# Altium PCB Hall Board V2.0.PcbDoc (part 2 of 3)
Units mil, origin at the board's own origin, x right, y up, seen from the top; angles counter-clockwise.
Board outline 4570 x 4451.26 mil, 4 copper layers (Top Layer, Internal Plane 1, Internal Plane 2, Bottom Layer), stack 18.2 mil thick; 380 components, 270 nets, 1115 pads, 166 vias.
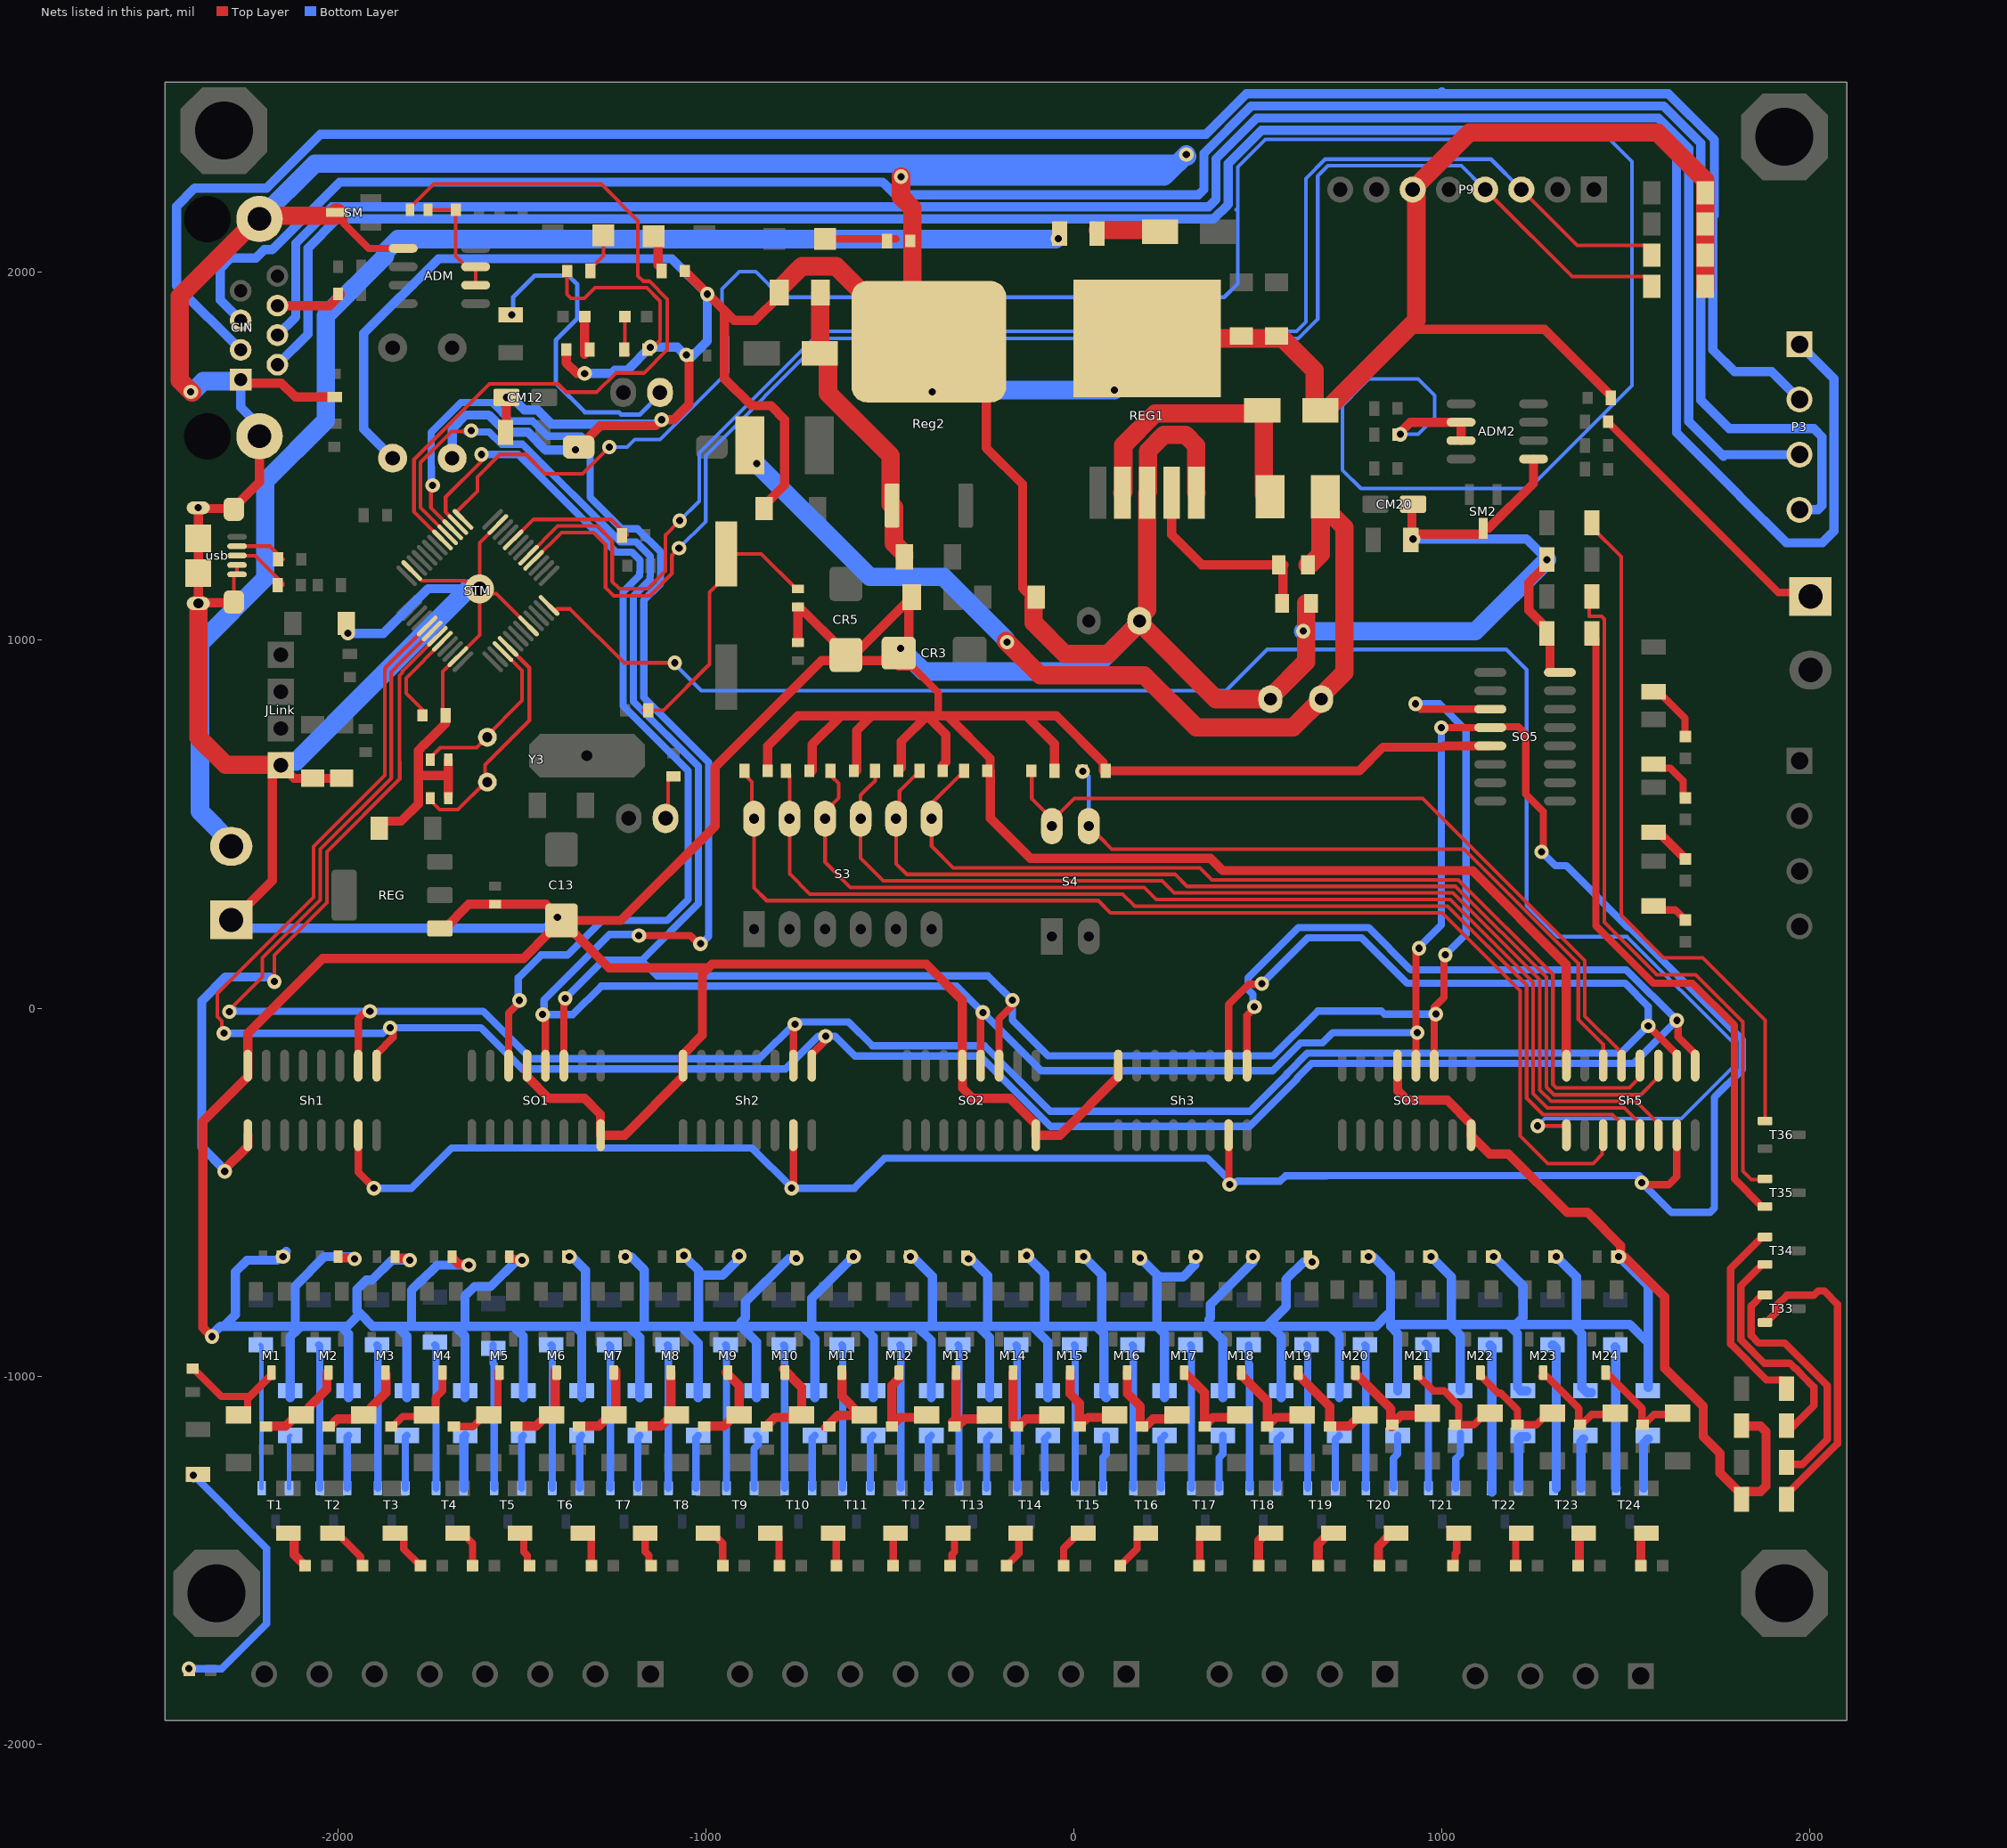
[diagram p4: the nets of this part, all layers, seen from the top]

## Via types
v1: diameter 39.37, hole 19.68, Top Layer to Bottom Layer, 165 vias
v2: diameter 78.74, hole 39.37, Top Layer to Bottom Layer, 1 vias

## Nets (pads, with @x,y where several pads share a name; then routed paths per layer and width w, separated by ;. In a path a pad name is that pad's centre, name@x,y a point inside that pad or via, vN(x,y) a via of type N, cw(c..) or ccw(c..) an arc to the next point about the centre after c; other vN are vias at no path point) (continued)
ChB: CIN.6 RT3.1 | length 185.8
  Top Layer w25: CIN.6@-2164.45,1909.57 -2022.43,1909.57 -1993.99,1938 RT3.1@-1993.99,1941.55
ChB_Dis: PO2.1 RT21.1 | length 732.4
  Top Layer w20: RT21.1@1451.61,1594.11 1451.61,1591.16 1912.77,1130 PO2.1@1990,1130
"Clock Pin2": SO1.11 SO2.11 SO3.11 SO5.11 STM.28 | length 6573.6
  Top Layer w10: STM.28@-1702.12,1286.72 -1775.44,1360.04 -1775.44,1483.17 -1690.95,1567.66 v1@-1652.34,1567.66
  Top Layer w20: SO1.11@-1386.23,-156.02 -1386.23,8.77 v1@-1375,20 ; SO2.11@-203.73,-156.02 -203.73,-28.73 v1@-160,15 ; v1@930,823.78 941,812.78 SO5.11@1131.02,812.78 ; SO3.11@978.77,-156.02 978.77,2.81 1005.32,29.36 1005.32,141.41 v1(1008.91,145)
  Bottom Layer w20: v1@-1652.34,1567.66 v1@-1638.1,1567.66 ; v1(-1638.1,1570) -1634.39,1566.29 -1589.15,1566.29 -1555.73,1532.87 -1498.58,1532.87 -1232.8,1267.09 -1189.82,1267.09 -1151.49,1228.76 -1151.49,1174.56 -1152.55,1173.5 -1152.55,1166.48 -1151.49,1165.42 -1197.13,1119.79 -1197.13,833.36 -1020.88,657.11 -1020.88,284.12 -1175,130 ; v1(-1382.67,26.66) -1279.33,130 -1175,130 ; v1(927.68,827.32) 993.17,827.32 1065,755.49 1065,201.09 v1(1008.91,145) ; v1(983.02,-15.93) 843.2,-15.93 835,-7.74 662.28,-7.74 540.72,-129.3 -70.95,-129.3 -167.67,-32.58 v1(-167.67,21.66) -233.88,87.87 -1132.87,87.87 -1175,130
ClockEn: Sh1.15 Sh2.15 Sh3.15 Sh5.15 SO1.12 SO2.12 SO3.12 SO5.12 STM.27 | length 13026.9
  Top Layer w10: v1(-1742.88,1420.86) -1747.56,1416.18 -1747.56,1360 STM.27@-1688.21,1300.64
  Top Layer w20: Sh1.15@-1945,-345 -1945,-445 v1@-1900,-490 ; SO1.12@-1436.23,-156.02 v1@-1436.23,-23.77 ; v1(-1182.5,197.44) -1042.37,197.44 -1020.24,175.32 v1(-1015,175.32) ; v1@-765,-490 -765,-481.54 -762.5,-479.04 Sh2.15@-762.5,-345 ; SO2.12@-253.73,-156.02 v1@-253.73,-13.73 ; v1@420,-480 420.69,-479.31 420.69,-345.69 Sh3.15@420,-345 ; SO3.12@928.77,-156.02 v1@928.77,162.39 ; v1@1002.18,762.78 SO5.12@1131.02,762.78 1128.81,765 1207.13,765 1227.13,745 1227.13,582.18 1275,534.3 v1@1275,425 ; v1@1550,-480 1615,-480 1637.74,-457.26 Sh5.15@1637.74,-345
  Bottom Layer w20: v1(-1902.32,-489.11) -1800.61,-489.11 -1691.13,-379.63 -875.37,-379.63 v1@-765.89,-489.11 ; v1(-1742.88,1420.86) -1746.2,1424.18 -1746.2,1470.55 -1746.95,1471.31 -1746.95,1565.17 -1666.3,1645.83 -1581.11,1645.83 -1530.81,1595.53 -1471.11,1595.53 -1430.46,1554.88 -1339.02,1554.88 -1314.98,1530.85 -1314.98,1388.7 -1229,1302.72 -1186.02,1302.72 -1123.62,1240.31 -1123.62,1153.88 -1169.25,1108.24 -1169.25,844.9 -993,668.66 -993,195.35 -1014.02,174.34 v1(-1015,175.32) ; v1@-1185.18,200.12 -1262.33,200.12 -1440.19,22.25 -1440.19,-13.4 v1(-1443.9,-17.11) -1362.11,-17.11 -1285,60 -319.35,60 v1(-247.67,-11.68) -89.35,-170 539.43,-170 615.18,-94.25 675,-94.25 702.96,-66.29 v1(932.48,-66.29) ; v1(-767.32,-489.11) v1@-765.89,-489.11 ; v1(422.68,-479.11) v1@434.11,-479.11 ; v1(937.33,162.8) 937.33,165.6 997.68,225.95 v1(997.68,762.32) ; v1@1265,425 v1(1270,425) 1307.5,387.5 1337.5,387.5 1505.45,219.55 1510,219.55 1815.52,-85.97 1815.52,-166.86 1740,-242.38 1740,-543.28 1728.28,-555 1623.57,-555 v1(1542.68,-474.11) ; v1@1545,-465 1535,-455 687.32,-455 686.54,-455.78 574.22,-455.78 560,-470 443.22,-470 v1@434.11,-479.11 ; v1@-765.89,-489.11 -596.62,-489.11 -515.11,-407.6 362.6,-407.6 v1@434.11,-479.11
ClockPin: Sh1.2 Sh2.2 Sh3.2 Sh5.2 STM.42 | length 7394.7
  Top Layer w10: v1@-2297.6,-7.1 -2205.44,85.07 -2205.44,136.78 -2048.08,294.13 -2048.08,432.2 -1855,625.28 -1855,913.92 -1830,938.92 STM.42@-1743.88,1025.04
  Top Layer w20: -1944.31,-88.51 -1944.31,-155.33 Sh1.2@-1945,-156.02 -1945,-28.9 v1@-1921.1,-5 ; Sh2.2@-762.5,-156.02 v1@-762.5,-38.81 ; Sh3.2@420,-156.02 420,10 475,65 v1@504.23,65 ; v1(1560,-48.34) 1560.78,-48.34 1637.74,-125.3 Sh5.2@1637.74,-156.02
  Bottom Layer w20: v1@-2286.12,0 -2277.79,-8.34 v1(-1913.12,-8.34) -1605.6,-8.34 -1476.81,-137.13 -854.7,-137.13 -754.73,-37.16 -612.84,-37.16 -547.87,-102.13 -243.13,-102.13 -65,-280.26 477.45,-280.26 578.63,-179.08 578.63,-177.41 633.91,-122.13 1486.21,-122.13 v1(1560,-48.34) 1560,5.24 1497.37,67.87 905.16,67.87 781.91,191.13 634.8,191.13 v1(510.34,66.66)
  other v1: -758.41,-43.34 -2294.93,-9.77
CS485_Comm: CC1.1 STM.29 | length 2162.9
  Top Layer w10: CC1.1@-1804.5,2170 -1804.5,2174.92 -1739.42,2240 -1285,2240 -1185,2140 -1185,1990 -1170.95,1975.95 -1153.93,1975.95 -1105,1927.02 -1105,1790 -1168.65,1726.35 -1244.83,1726.35 -1296.61,1674.57 -1380.57,1674.57 -1402.5,1696.5 -1588.5,1696.5 -1793.31,1491.69 -1793.31,1348.79 STM.29@-1719.76,1275.24
CS485_Dis: ADM2.2 ADM2.3 R'41.1 STM.25 | length 6549.4
  Top Layer w10: STM.25@-1660.37,1328.48 -1678.51,1346.62 -1678.51,1347.81 -1621.18,1405.14 -1621.18,1443.89 -1560.06,1505 -1489.29,1505 -1435.72,1451.44 -1434.84,1452.32 -1335,1452.32 -1262.58,1524.74 v1(-1262.58,1525)
  Top Layer w25: R'41.1@882.99,1558.66 882.99,1561.61 913.9,1592.52 ADM2.2@1051.57,1592.52 ADM2.3@1051.57,1542.52
  Bottom Layer w10: v1(-1262.58,1525) -1214.3,1525 -1193.29,1546 -1125,1546 -941.12,1729.88 -941.12,1823.98 -956.22,1839.08 -956.22,1955.03 -909.81,2001.44 -865.04,2001.44 -795.9,1932.3 408.01,1932.3 444.7,1969 444.7,2174.7 ; 440,2170 444.7,2174.7 ; 780,1690 800,1710 935,1710 980,1665 980,1605 934.76,1559.76 v1(886.88,1559.76) ; 780.55,1689.45 729.14,1638.04 729.14,1462.52 779.54,1412.13 1236.02,1412.13 1515.75,1691.86 1515.75,2300.9 1455.64,2361 519.87,2361 444.7,2285.84 444.7,2174.7
D24: R44.2 S3.12 Sh5.11 | length 3258.5
  Top Layer w10: R44.2@-890.26,636.03 -890.26,630 -875.33,615.07 -875.33,520.96 S3.12@-869.37,515 -869.37,326.77 -835,292.4 65.99,292.4 98.87,259.53 999.86,259.53 1211.79,47.6 1211.79,-346.87 1286.77,-421.85 1410.45,-421.85 1435.14,-397.16 1435.14,-347.61 Sh5.11@1437.74,-345 Sh5.11@1437.74,-313.5
D25: R45.2 S3.11 Sh5.12 | length 3036.7
  Top Layer w10: R45.2@-782.45,645 -772.91,635.46 S3.11@-772.91,515 -772.91,365.12 -718.07,310.28 131.93,310.28 164.81,277.4 1014.81,277.4 1229.67,62.55 1229.67,-244 1274.49,-288.82 1463.06,-288.82 1487.74,-313.5 Sh5.12@1487.74,-345
D26: R46.2 S3.10 Sh5.13 | length 2973.5
  Top Layer w10: R46.2@-658.45,630 -639.27,610.82 -639.27,571.87 -676.46,534.68 S3.10@-676.46,515 -676.46,397.05 -607.56,328.15 190.89,328.15 223.77,295.28 1022.22,295.28 1247.54,69.95 1247.54,-232.54 1285.94,-270.95 1495.18,-270.95 1537.74,-313.5 Sh5.13@1537.74,-345
D27: R47.2 S3.9 Sh5.14 | length 2927.6
  Top Layer w10: R47.2@-540.43,645 -540.43,617.91 -552.11,606.24 -552.97,606.24 -580,579.21 S3.9@-580,515 -580,407.76 -518.27,346.03 239.24,346.03 272.11,313.15 1029.62,313.15 1265.42,77.36 1265.42,-222.13 1296.36,-253.07 1527.31,-253.07 1587.74,-313.5 Sh5.14@1587.74,-345
D28: R48.2 S3.8 Sh5.3 | length 2823.7
  Top Layer w10: R48.2@-428.89,635.54 -474.16,590.27 -474.16,524.39 S3.8@-483.54,515 -483.54,392.46 -454.98,363.9 274.58,363.9 307.46,331.03 1037.02,331.03 1283.29,84.76 1283.29,-214.72 1303.76,-235.2 1540.07,-235.2 1587.74,-187.52 Sh5.3@1587.74,-156.02
D29: R49.2 S3.7 Sh5.4 | length 2643.6
  Top Layer w10: R49.2@-307.88,635.54 -387.09,556.33 S3.7@-387.09,515 -387.09,440.29 -328.57,381.77 341.49,381.77 374.36,348.9 1044.43,348.9 1301.16,92.16 1301.16,-207.32 1310,-216.16 1509.11,-216.16 1537.74,-187.52 Sh5.4@1537.74,-156.02
D30: R50.1 S4.4 Sh5.5 | length 2142.3
  Top Layer w10: R50.1@-115,632.13 -115,569.68 -60,514.68 S4.4@-60,509.36 ; S4.4@-60,495 S4.4@-60,509.36 ; Sh5.5@1487.74,-156.02 1487.74,-121.08 1387.87,-21.21 1387.87,129.62 947.49,570 0.64,570 S4.4@-60,509.36
D31: R51.1 S4.3 Sh5.6 | length 1950.5
  Top Layer w10: S4.3@40,495 40,488.59 62.66,465.93 69.07,465.93 102.48,432.52 1059.69,432.52 1370,122.22 1370,-30 1437.74,-97.74 Sh5.6@1437.74,-156.02
  Bottom Layer w10: v1@25.51,645 40,630.51 S4.3@40,495
  other v1: 23.34,643.56
"Data Pin2": SO1.14 STM.26 | length 2608.4
  Top Layer w10: STM.26@-1674.29,1314.56 -1674.29,1315.05 -1707.46,1348.23 -1707.46,1389.2 -1610,1486.66 v1(-1610,1505)
  Top Layer w20: SO1.14@-1536.23,-156.02 -1536.23,-13.26 -1506.9,16.07 v1(-1506.9,21.31)
  Bottom Layer w20: v1(-1610,1505) -1510.12,1505 -1244.35,1239.22 -1201.37,1239.22 -1179.36,1217.22 -1179.36,1186.1 -1180.42,1185.05 -1180.42,1175.91 -1225,1131.33 -1225,821.81 -1048.75,645.56 -1048.75,295.67 -1105.88,238.54 -1282.52,238.54 -1376.44,144.63 -1448.36,144.63 -1510.04,82.95 v1@-1510.04,21.31
DataPin: Sh5.9 STM.12 | length 4938.8
  Top Layer w10: STM.12@-1426.52,1094.63 -1411.53,1079.65 -1410.35,1079.65 -1405,1085 -1369.07,1085 -1222.85,938.78 v1(-1085,938.78) ; v1(1259.64,-320.01) 1331.45,-320.01 1337.74,-326.31 Sh5.9@1337.74,-345
  Bottom Layer w10: v1@-1085,935 -1012.78,862.78 412.78,862.78 525,975 1174.67,975 1229.67,920 1229.67,279 1314.39,194.28 1502.92,194.28 1792.64,-95.44 1792.64,-157.38 1650.03,-300 1278.87,-300 v1@1263.87,-315
DataPin2: Sh1.9 STM.43 | length 1956.6
  Top Layer w10: v1(-2172.88,72.32) -2172.88,144.06 -2030.21,286.73 -2030.21,424.79 -1832.06,622.94 -1832.06,670 -1832.87,670.82 -1832.87,904.36 -1825.54,911.7 -1825.54,915.54 STM.43@-1729.96,1011.12
  Top Layer w25: v1@-2310,-440.12 -2245,-375.12 Sh1.9@-2245,-345
  Bottom Layer w25: v1@-2307.32,-440.12 -2370,-377.44 -2370,20 -2305,85 -2185.55,85 v1@-2175.55,75
  other v1: -2307.67,-443.46
G_EL1: CIN.2 P3.1 | length 6169.2
  Bottom Layer w25: CIN.2@-2164.45,1748.94 -2081.67,1831.71 -2081.67,2065.72 -2002.39,2145 379.12,2145 418.62,2184.5 418.62,2295.64 509.36,2386.38 1574.15,2386.38 1637.03,2323.5 1637.03,1563.71 1810,1390.74 1810,1390 1935,1265 2032.99,1265 2065,1297.01 2065,1710.51 1975,1800.51 P3.1@1975,1810
G_EL2: CIN.3 P3.2 | length 5673.7
  Bottom Layer w25: CIN.3@-2264.45,1789.09 -2438.37,1963.01 -2438.37,2179.53 -2389.53,2228.37 -2194.07,2228.37 -2047.44,2375 358.51,2375 468.51,2485 994.11,2485 1000,2490.89 ; 1000,2485 1615,2485 1740,2360 1740,2155 ; 1735.65,2155 1735.65,1788.85 1794.75,1729.75 1895.76,1729.75 1960,1665.51 P3.2@1960,1660
G_EL3: CIN.4 P3.3 | length 5383.5
  Bottom Layer w25: CIN.4@-2164.45,1829.25 -2114.55,1879.15 -2114.55,2079.33 -2016.01,2177.87 178.43,2177.87 ; 185,2177.87 365.5,2177.87 385.75,2198.12 385.75,2309.25 495.74,2419.25 1587.77,2419.25 1669.91,2337.11 1669.91,1594.47 1764.69,1499.69 ; 1755,1510 1760.5,1504.5 P3.3@1971.01,1504.5
G_EL4: CIN.5 P3.4 | length 5811.2
  Bottom Layer w25: CIN.5@-2264.45,1869.41 -2320.2,1925.16 -2320.2,2010 -2291.43,2038.77 -2223.36,2038.77 -2200.49,2061.63 -2178.74,2061.63 -1995.37,2245 -520,2245 -516.21,2241.21 -515.37,2241.21 -484.92,2210.75 -468.88,2210.75 ; -465,2210.75 338.23,2210.75 352.87,2225.39 352.87,2322.87 482.13,2452.13 1601.38,2452.13 1702.78,2350.73 1702.78,1652.22 1780,1575 2010,1575 2032.13,1552.87 2032.13,1365.62 2021.51,1355 P3.4@1975,1355
GND: ADM2.5 ADM.5 C2.1 C6.2 C7.2 C10.2 C13.2 C15.1 C16.1 CIN.1 CIN.9 CM12.2 CM13.2 CM20.2 CM21.2 CM25.2 CR1.2 CR2.2 CR3.2 CR5.2 CY1.1 CY2.1 CY3.1 CY4.1 CY5.1 CY6.1 CY7.1 CY8.1 CY9.1 CY10.1 CY11.1 CY12.1 CY13.1 CY14.1 CY15.1 CY16.1 CY17.1 CY18.1 CY19.1 CY20.1 CY21.1 CY22.1 CY23.1 CY24.1 DM3.1 DZ1.1 DZ2.1 DZ10.1 DZ11.1 DZ12.1 DZ13.1 DZ14.1 DZ15.1 DZ16.1 DZ20.1 DZ21.1 DZ22.1 JLink.1 P9.6 PO.1 R2.2 R44.1 R45.1 R46.1 R47.1 R48.1 R49.1 R50.2 R51.2 R60.1 R61.1 R80.1 R82.1 R83.1 REG1.3 REG1.5 REG1.6 Reg2.4 REG.1 RES.1 RN2.2 RT1.2 RT20.2 RV1.1 RV2.1 RX1.2 RX2.2 RX3.2 RX4.2 RX5.2 RX6.2 RX7.2 RX8.2 RX9.2 RX10.2 RX11.2 RX12.2 RX13.2 RX14.2 RX15.2 RX16.2 RX17.2 RX18.2 RX19.2 RX20.2 RX21.2 RX22.2 RX23.2 RX24.2 RX33.2 RX34.2 RX35.2 RX36.2 Sh1.8 Sh2.8 Sh3.8 Sh5.8 SM2.3 SM.3 SO1.8 SO1.13 SO2.8 SO2.13 SO3.8 SO3.13 SO5.8 SO5.13 STM.8 STM.23 STM.35 STM.47 usb.4 usb.5 usb.S | length 55287.7
  Top Layer w10: usb.S@-2283.04,1104.09 -2283.04,1176.24 -2280.38,1178.9 usb.5@-2274.18,1178.9 usb.4@-2274.18,1204.49 ; STM.35@-1799.56,1189.29 -1799.07,1189.29 -1771.94,1162.15 -1655.76,1162.15 -1633.6,1140 v2(-1615,1140) ; R2.2@-1715,795.75 -1715,914.73 STM.47@-1674.29,955.44 -1615,1014.73 v2(-1615,1140) ; STM.23@-1565.71,1314.56 -1565.71,1314.07 -1615,1264.79 v2(-1615,1140) ; STM.8@-1482.2,1038.96 -1570.09,1126.85 -1601.85,1126.85 v2(-1615,1140) ; R82.1@-1377.45,2015 -1377.45,1940.32 -1366.59,1929.46 -1330.1,1929.46 -1301.49,1958.07 -1161.33,1958.07 -1124.61,1921.35 -1124.61,1815.16 R60.1@-1162.07,1777.7
  Top Layer w20: SM.3@-2003.46,2162.72 -1986.73,2162.72 -1984.92,2160.9 -1984.92,2133.66 -1916.26,2065 ADM.5@-1822.89,2065 ; CR3.2@-475.07,965 -440.86,930.79 -440.86,929.4 -369.19,857.73 -369.19,795
  Top Layer w25: v1(-2342.32,-892.53) -2367.13,-867.72 -2367.13,-308.27 -2245,-186.14 Sh1.8@-2245,-156.02 -2245,-68.08 -2041.92,135 -1495.97,135 -1426.19,204.78 -1424.22,204.78 -1392.43,236.58 -1360.64,204.78 -1358.67,204.78 -1263.88,110 -993.73,110 ; PO.1@-2290,240 -2285,240 -2177.87,347.13 -2177.87,637.3 JLink.1@-2155,660.17 ; usb.S@-2283.04,1104.09 -2285.01,1102.13 -2377.53,1102.13 usb.S@-2379.5,1100.16 usb.S@-2379.5,1182.83 usb.S@-2379.5,1277.32 usb.S@-2379.5,1360 -2377.53,1358.03 -2285.01,1358.03 usb.S@-2283.04,1356.06 -2283.04,1360 -2213.27,1429.77 CIN.9@-2213.27,1554.45 ; CIN.1@-2264.45,1708.78 CIN.1@-2248.05,1725.18 ; CIN.1@-2255,1710 -2255,1706.62 -2247.42,1699.04 -2153.71,1699.04 -2115.58,1660.91 RT1.2@-2008.68,1660.91 ; JLink.1@-2156.31,661.48 -2153.69,661.48 -2144.57,670.61 -2144.57,649.74 -2119.52,624.7 DZ11.1@-2069.01,624.7 DZ12.1@-1989.51,624.7 ; CY2.1@-1999.71,-674.92 -1999.71,-677.62 -1999.02,-678.31 -1957.54,-678.31 v1(-1954.79,-681.05) ; DZ2.1@-1887.84,489.51 -1887.84,497.38 -1876.71,508.5 -1827.94,508.5 -1781.44,555 -1781.44,585 ; CY3.1@-1844.71,-674.92 -1844.71,-678.46 -1844.02,-679.15 v1@-1815.89,-679.15 ; -1781.68,585 -1781.68,632.2 ; REG.1@-1723.04,216.65 -1710.25,216.65 -1644.19,282.71 -1434.63,282.71 C13.2@-1401.08,249.16 ; R2.2@-1707.46,795.75 -1707.46,777.03 -1708.91,775.59 -1708.91,772.7 -1764.66,716.94 -1765.36,716.94 -1781.68,700.62 -1781.68,632.2 ; C15.1@-1700.5,675.45 -1700.39,675.33 -1700.39,630.39 ; C16.1@-1700.39,575.02 -1700.39,630.39 ; CY4.1@-1689.71,-674.92 -1689.71,-678.46 -1672.59,-695.59 -1647.19,-695.59 v1(-1644.44,-698.34) ; CM13.2@-1545,1565 -1542.17,1567.83 v1(-1542.17,1660) ; CM13.2@-1542.17,1588.87 -1542.17,1601.66 ; CY5.1@-1534.71,-674.92 -1534.71,-678.46 -1534.02,-679.15 -1530.48,-679.15 -1527.38,-682.25 -1502.92,-682.25 v1(-1500.17,-685) ; SO1.13@-1486.23,-156.02 -1486.23,-186.14 -1427.37,-245 -1330,-245 -1286.92,-288.08 -1286.92,-344.31 SO1.8@-1286.23,-345 -1221.36,-345 -1062.5,-186.14 Sh2.8@-1062.5,-156.02 -1062.5,-125.91 -1010,-73.41 -1010,93.73 -993.73,110 ; C13.2@-1390.46,238.54 -1231.95,238.54 -975.49,495.01 -975.49,655.49 -685.97,945 -491.2,945 -475.6,929.4 CR3.2@-440.86,929.4 ; R61.1@-1379.07,1790 -1379.53,1789.54 -1379.53,1753.61 -1350.92,1725 v1(-1330,1725) ; RES.1@-1345.91,1525 -1287.91,1582.99 -1137.01,1582.99 v1(-1120.5,1599.5) -1088.19,1599.5 -1046.01,1641.68 C10.2@-1046.01,1773.6 ; R83.1@-1057.45,2003.45 -995.55,1941.55 -954.01,1900 ; DZ20.1@-842.44,1358.03 -842.44,1365.91 -786.27,1422.08 -786.27,1599.69 -824.27,1637.69 -876.58,1637.69 -950,1711.1 -950,1895.99 -923.17,1869.17 -867.09,1869.17 -801.1,1935.16 CR1.2@-801.1,1945 ; R44.1@-832.3,645 -832.3,712.7 -750,795 -632.92,795 ; C6.2@-750,993.85 C7.2@-750,1090.5 -746.46,1090.5 -627.3,971.34 -586.81,971.34 CR2.2@-449.19,1108.96 ; R45.1@-711.29,645 -711.14,645.16 -711.14,716.78 -632.92,795 ; R46.1@-590.28,645 -590.28,754.72 -550,795 ; Reg2.4@-511.01,1869.17 Reg2.4@-446.84,1805 ; R47.1@-477.44,645 -469.27,653.17 -469.27,725 -399.27,795 ; CR3.2@-476.46,965 -449.19,992.26 CR2.2@-449.19,1108.96 ; CR2.2@-449.19,1139.41 CR2.2@-449.19,1108.96 ; CR2.2@-441.1,1117.05 CR2.2@-449.19,1108.96 ; Reg2.4@-394.47,1811.37 -388.53,1811.37 -238.22,1661.05 -238.22,1522.45 -139.63,1423.86 -139.63,1141.2 DZ1.1@-107.16,1108.74 ; -369.19,795 -399.27,795 ; -359.19,795 -130,795 ; R48.1@-356.44,660 -348.27,668.17 -348.27,743.99 -399.27,795 ; -340,791.11 -227.95,679.06 -227.95,645.69 -227.26,645 -227.26,515.85 -118.56,407.15 370.71,407.15 403.58,374.27 1082.06,374.27 1337.74,118.59 Sh5.8@1337.74,-156.02 ; R50.2@-53.14,645 -53.14,718.14 -130,795 ; Sh3.8@120,-156.02 120,-186.14 -38.86,-345 SO2.8@-103.73,-345 -103.73,-314.88 -173.61,-245 -275.44,-245 -303.04,-217.4 -303.04,-156.71 SO2.13@-303.73,-156.02 -303.73,21.73 -402,120 -983.73,120 -993.73,110 ; SO3.13@878.77,-156.02 879.46,-156.71 879.46,-224.09 905.37,-250 1013.89,-250 1080,-316.11 SO3.8@1080,-346.23 ; 904.79,1845 1278.21,1845 1458.55,1664.66 RT20.2@1458.55,1658.76 ; CM25.2@918.09,1283.19 918.09,1366.91 CM20.2@921.18,1370 ; CM25.2@923.17,1288.27 1110.92,1288.27 1111.61,1288.96 SM2.3@1111.61,1303.74 1125.66,1303.74 1248.43,1426.51 ADM2.5@1248.43,1492.52 ; SO3.8@1078.77,-345 SO3.8@1080,-346.23 ; SO5.13@1131.02,712.78 1004.68,712.78 1001.23,709.33 839.33,709.33 775,645 R51.2@85.83,645 80,645 79.31,645.69 79.31,668.03 -47.66,795 -130,795 ; RX36.2@1285.17,1231.9 v1(1285.17,1219.11) 1285.17,1206.31 1235.37,1156.52 1235.37,1081.09 1285.17,1031.3 RX35.2@1285.17,1018.5 1293.34,1010.33 1293.34,913.47 1294.03,912.78 SO5.8@1320,912.78 ; v1@1485,-675 1485,-645 1395,-555 1339.6,-555 1180.45,-395.86 1129.63,-395.86 SO3.8@1080,-346.23 ; v1@1495,-675 1605,-785 1605,-978.16 1709.63,-1082.78 1709.63,-1164.63 1755,-1210 1755,-1262.84 RX33.2@1814.06,-1321.9 ; RX33.2@1814.06,-1334.69 RX33.2@1814.06,-1321.9 ; RX34.2@1820,-1130 1820,-1133.13 1822.22,-1135.36 1865.36,-1135.36 1880,-1150 1880,-1299.08 1865.36,-1313.73 1822.22,-1313.73 RX33.2@1814.06,-1321.9 ; -1781.68,632.2 -1702.2,632.2 -1700.39,630.39 ; -632.92,795 -550,795 ; -550,795 -399.27,795
  Top Layer w50: v1@-2396.83,1673.17 -2430,1706.34 -2430,1934.42 -2219.42,2145 CIN.9@-2213.27,2145 -2204.41,2153.86 -2007.01,2153.86 -2003.46,2157.4 SM.3@-2003.46,2162.72 ; usb.S@-2379.5,1100.16 -2379.5,735.98 -2305,661.48 JLink.1@-2156.31,661.48 ; CIN.1@-2268.98,1713.31 CIN.1@-2264.45,1708.78 ; JLink.1@-2155,660.17 JLink.1@-2153.69,661.48 ; CR1.2@-801.1,1945 -801.1,1954.84 -739.7,2016.24 -646.49,2016.24 -441.62,1811.37 Reg2.4@-394.47,1811.37 -439.09,1855.99 -439.09,2174.09 -470,2205 v1(-470,2260) ; DZ1.1@-110,1110 -110,1047.87 -25,962.87 92.79,962.87 CM20.2@177.8,1047.88 ; CM20.2@177.8,1052.88 CM20.2@177.8,1047.88 ; CM20.2@198.55,1082.69 REG1.3@198.55,1401.06 200.91,1403.42 200.91,1514.97 244.61,1558.66 302.46,1558.66 331.75,1529.37 331.75,1401.72 REG1.5@332.41,1401.06 ; REG1.6@198.55,1820.35 566.61,1820.35 653.5,1733.46 653.5,1633.46 661.97,1625 DM3.1@669.05,1625 684.79,1625 904.79,1845 930,1870.21 930,2205 P9.6@920,2215 ; RN2.2@630.3,1100.16 630.3,941.71 533.58,845 CM21.2@533.58,840 385.67,840 CM20.2@177.8,1047.88 ; P9.6@930,2225 P9.6@920,2215 ; DZ14.1@1715,1955 1715,2250 1585,2380 1075,2380 P9.6@920,2225 P9.6@920,2215
  Bottom Layer w25: v1@-2345,-889.85 -2319.38,-864.23 -2310,-864.23 ; PO.1@-2290,240 -2267.13,217.13 -1434.79,217.13 v1@-1401.92,250 ; CIN.1@-2264.45,1708.78 -2264.45,1632.96 -2213.27,1581.78 CIN.9@-2213.27,1554.45 ; v1@-2140.66,-660.87 -2164.79,-685 -2247.4,-685 -2278.7,-716.3 -2278.7,-832.93 -2310,-864.23 ; RX1.2@-2129.77,-1058.9 -2129.77,-892.9 -2108.46,-871.59 ; v1(-1973.27,1018.86) -1876.54,1018.86 -1755.4,1140 -1645,1140 v2(-1615,1140) ; RX2.2@-1971.4,-1058.9 -1971.4,-885.37 -1992.53,-864.23 ; v1@-1955,-675 -2036.32,-675 -2115.82,-754.5 -2115.82,-864.23 ; RV1.1@-1861.66,1495 -1861.66,1505.16 -1930.11,1573.61 -1930.11,1833.96 -1727.32,2036.75 -1092.46,2036.75 v1(-996.4,1940.69) -996.4,1813.71 v1@-1041.16,1768.95 ; RX3.2@-1813.03,-1058.9 -1813.03,-891.21 -1840,-864.23 ; v1(-1805,-685) -1853.84,-685 -1907.83,-738.99 -1923.18,-738.99 -1948.03,-763.84 -1948.03,-822.06 -1940.09,-830 ; RV2.1@-1689.71,1495.02 -1689.71,1575.04 -1652.49,1612.26 -1590.5,1612.26 -1543.4,1565.16 -1483.69,1565.16 -1435.86,1517.32 v1(-1354.57,1517.32) ; RX4.2@-1654.65,-1058.9 -1654.65,-891.12 -1681.55,-864.23 ; v1(-1644.44,-698.34) -1730.89,-698.34 -1775.27,-742.72 -1776.96,-742.72 -1800,-765.76 -1800,-864.23 ; v1@-1530,1662.34 -1493.57,1625.91 -1458.53,1625.91 -1419.75,1587.13 -1132.87,1587.13 v1(-1120.5,1599.5) ; v1(-1500.17,-685) -1514.12,-685 -1585.39,-756.27 -1629.11,-756.27 -1655,-782.16 -1655,-864.23 ; RX5.2@-1496.28,-1058.9 -1496.28,-891.56 -1523.62,-864.23 ; v1(-1371.04,-675) -1365,-675 -1327.65,-712.35 -1327.65,-864.23 ; RX6.2@-1337.91,-1058.9 -1337.91,-881.32 -1355,-864.23 ; v1(-1330,1725) -1256.79,1725 -1247.94,1733.85 -1214.24,1733.85 v1(-1151.66,1796.43) -1077.88,1796.43 -1057.06,1775.61 v1(-1053.17,1775.61) ; v1@-1204.23,-675 -1167.87,-711.36 -1167.87,-864.23 ; RX7.2@-1179.54,-1058.9 -1179.54,-894.69 -1210,-864.23 ; v1@-1047.41,-685 -1020,-712.41 -1020,-725 ; RX8.2@-1021.17,-1058.9 -1021.17,-910.34 -1067.28,-864.23 ; v1@-906.81,-676.53 -955.28,-725 -1020,-725 ; RX9.2@-862.8,-1058.9 -862.8,-906.43 -905,-864.23 ; v1(-754.21,-680) -774.87,-680 -892.94,-798.07 -892.94,-841.9 -905,-853.97 -905,-864.23 ; RX10.2@-704.43,-1058.9 -704.43,-898.68 -738.88,-864.23 ; v1(-599.21,-674.92) -712.5,-788.22 -712.5,-864.23 ; RX11.2@-546.06,-1058.9 -546.06,-893.17 -575,-864.23 ; v1@-441.61,-672.33 -385,-728.94 -385,-864.23 ; RX12.2@-387.69,-1058.9 -387.69,-903.36 -426.81,-864.23 ; v1(-286.67,-681.05) -280.56,-681.05 -234.69,-726.92 -234.69,-864.23 ; RX13.2@-229.32,-1058.9 -229.32,-894.91 -260,-864.23 ; v1@-122.81,-678.34 -79.69,-721.46 -79.69,-864.23 ; RX14.2@-70.95,-1058.9 -70.95,-906.29 -113,-864.23 ; v1(26.02,-674.92) 75.31,-724.21 75.31,-864.23 ; 67.65,-871.89 81.22,-885.45 81.22,-1052.7 RX15.2@87.42,-1058.9 ; v1(180,-679.13) 225,-724.13 225,-730 ; RX16.2@245.79,-1058.9 245.79,-885.02 225,-864.23 ; v1@328.5,-672.18 328.5,-697.66 296.16,-730 225,-730 ; RX17.2@404.16,-1058.9 404.16,-902.07 366.33,-864.23 ; v1(485.79,-674.92) 485.79,-689.92 370.29,-805.43 370.29,-841.9 366.33,-845.87 366.33,-864.23 ; RX18.2@562.53,-1058.9 562.53,-891.77 535,-864.23 ; v1@642.26,-690 623.26,-690 576.55,-736.71 576.55,-810.78 523.1,-864.23 ; RX19.2@720.9,-1058.9 720.9,-890.14 695,-864.23 ; v1(800.22,-675) 812.33,-675 860,-722.67 860,-860 ; 855,-830 820.77,-864.23 695,-864.23 ; RX20.2@879.27,-1040 879.27,-883.51 860,-864.23 860,-860 ; v1(921.18,1275) 1229.28,1275 v1(1285.17,1219.11) ; v1@975,-675 974.69,-675.31 974.69,-679.69 1025,-730 1025,-860 ; RX21.2@1049.27,-1039.06 1049.27,-889.27 1020,-860 ; v1(1140.22,-675) 1220,-754.78 1220,-840 1200,-860 ; RX22.2@1230,-1040 1214.11,-1040 1205,-1030.89 1205,-885 1180,-860 ; v1(1310,-675) 1365,-730 1365,-855 ; RX23.2@1405,-1045 1394.11,-1045 1380,-1030.89 1380,-885 1355,-860 ; v1(1480,-675) 1560,-755 1560,-910 ; RX24.2@1560,-1030 1560,-910 ; -2310,-864.23 -2115.82,-864.23 ; -2115.82,-864.23 -1992.53,-864.23 ; -1992.53,-864.23 -1974.33,-864.23 -1940.09,-830 ; -1940.09,-830 -1905.86,-864.23 -1840,-864.23 ; -1840,-864.23 -1800,-864.23 ; -1800,-864.23 -1681.55,-864.23 ; -1681.55,-864.23 -1655,-864.23 ; -1655,-864.23 -1523.62,-864.23 ; -1523.62,-864.23 -1355,-864.23 ; -1355,-864.23 -1327.65,-864.23 ; -1327.65,-864.23 -1210,-864.23 ; -1210,-864.23 -1167.87,-864.23 ; -1167.87,-864.23 -1067.28,-864.23 ; -1067.28,-864.23 -1020,-864.23 ; -1020,-864.23 -905,-864.23 ; -1020,-864.23 -1020,-725 ; -905,-864.23 -738.88,-864.23 ; -738.88,-864.23 -712.5,-864.23 ; -712.5,-864.23 -575,-864.23 ; -575,-864.23 -426.81,-864.23 ; -426.81,-864.23 -385,-864.23 ; -385,-864.23 -260,-864.23 ; -260,-864.23 -234.69,-864.23 ; -234.69,-864.23 -113,-864.23 ; -113,-864.23 -79.69,-864.23 ; -79.69,-864.23 75.31,-864.23 ; 75.31,-864.23 225,-864.23 ; 225,-864.23 225,-730 ; 225,-864.23 366.33,-864.23 ; 366.33,-864.23 523.1,-864.23 ; 523.1,-864.23 535,-864.23 ; 535,-864.23 695,-864.23 ; 860,-860 1020,-860 ; 1020,-860 1025,-860 ; 1025,-860 1180,-860 ; 1180,-860 1200,-860 ; 1200,-860 1355,-860 ; 1355,-860 1510,-860 1560,-910